# Altium PCB PCB1.PcbDoc
Units mm, origin at the board's own origin, x right, y up, seen from the top; angles counter-clockwise.
Board outline 53 x 30 mm, 2 copper layers (Top Layer, Bottom Layer), stack 1.671 mm thick; 4 components, 10 nets, 64 pads, 0 vias.
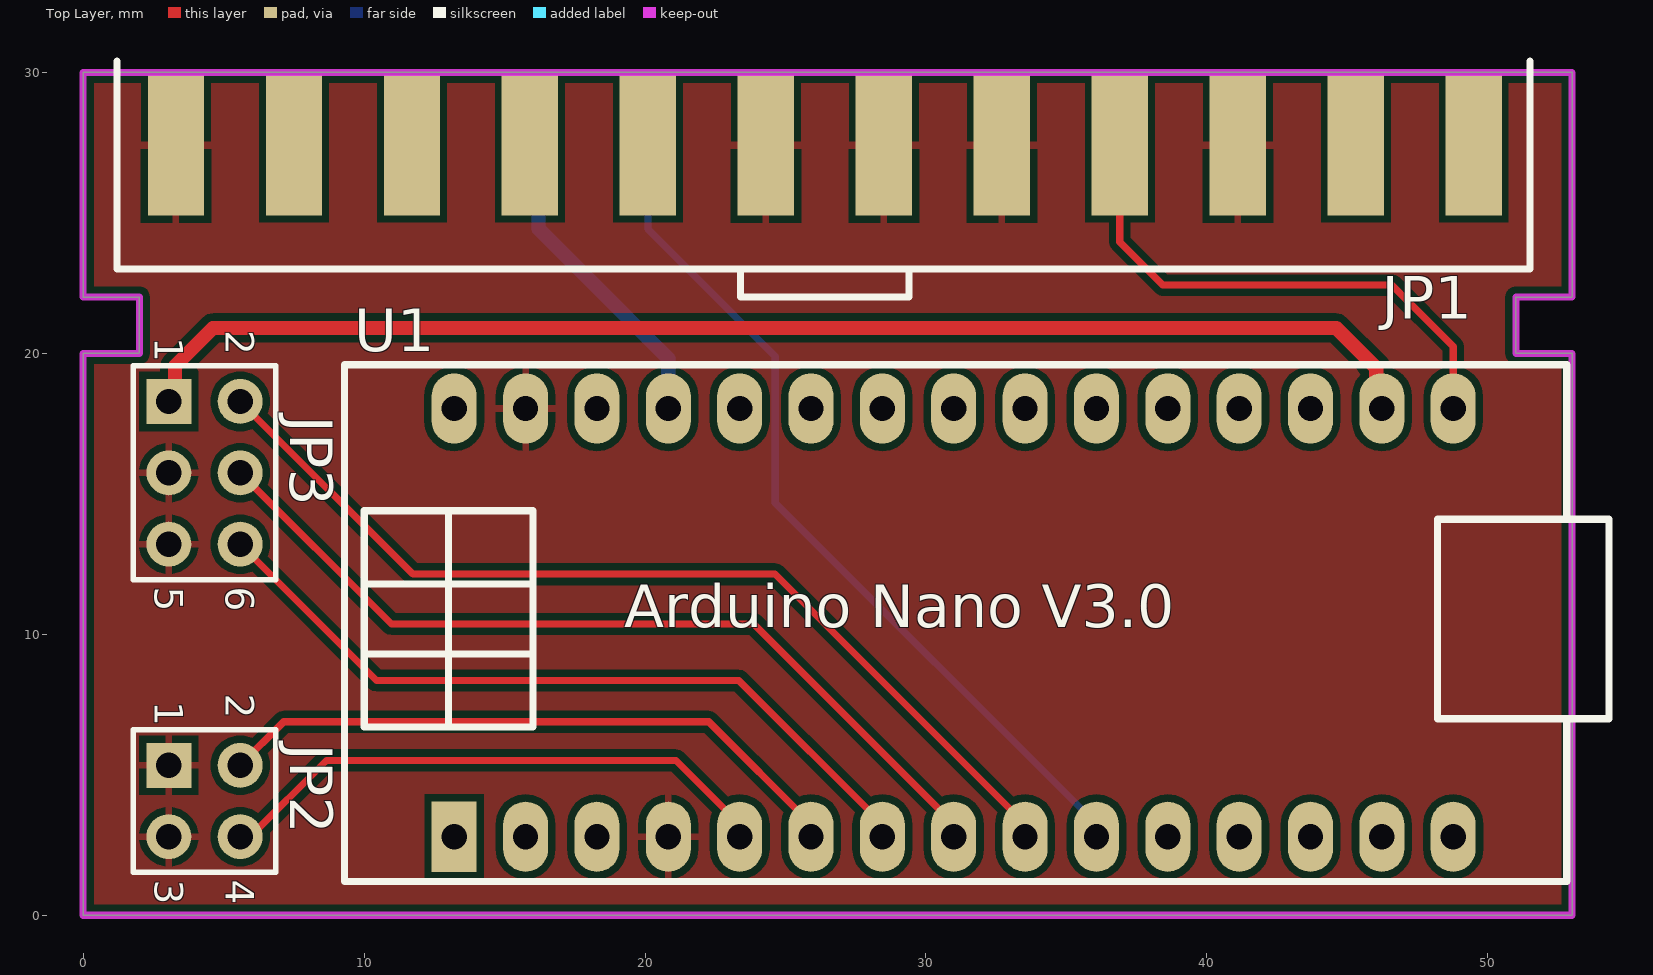
[diagram p0: Top Layer view]
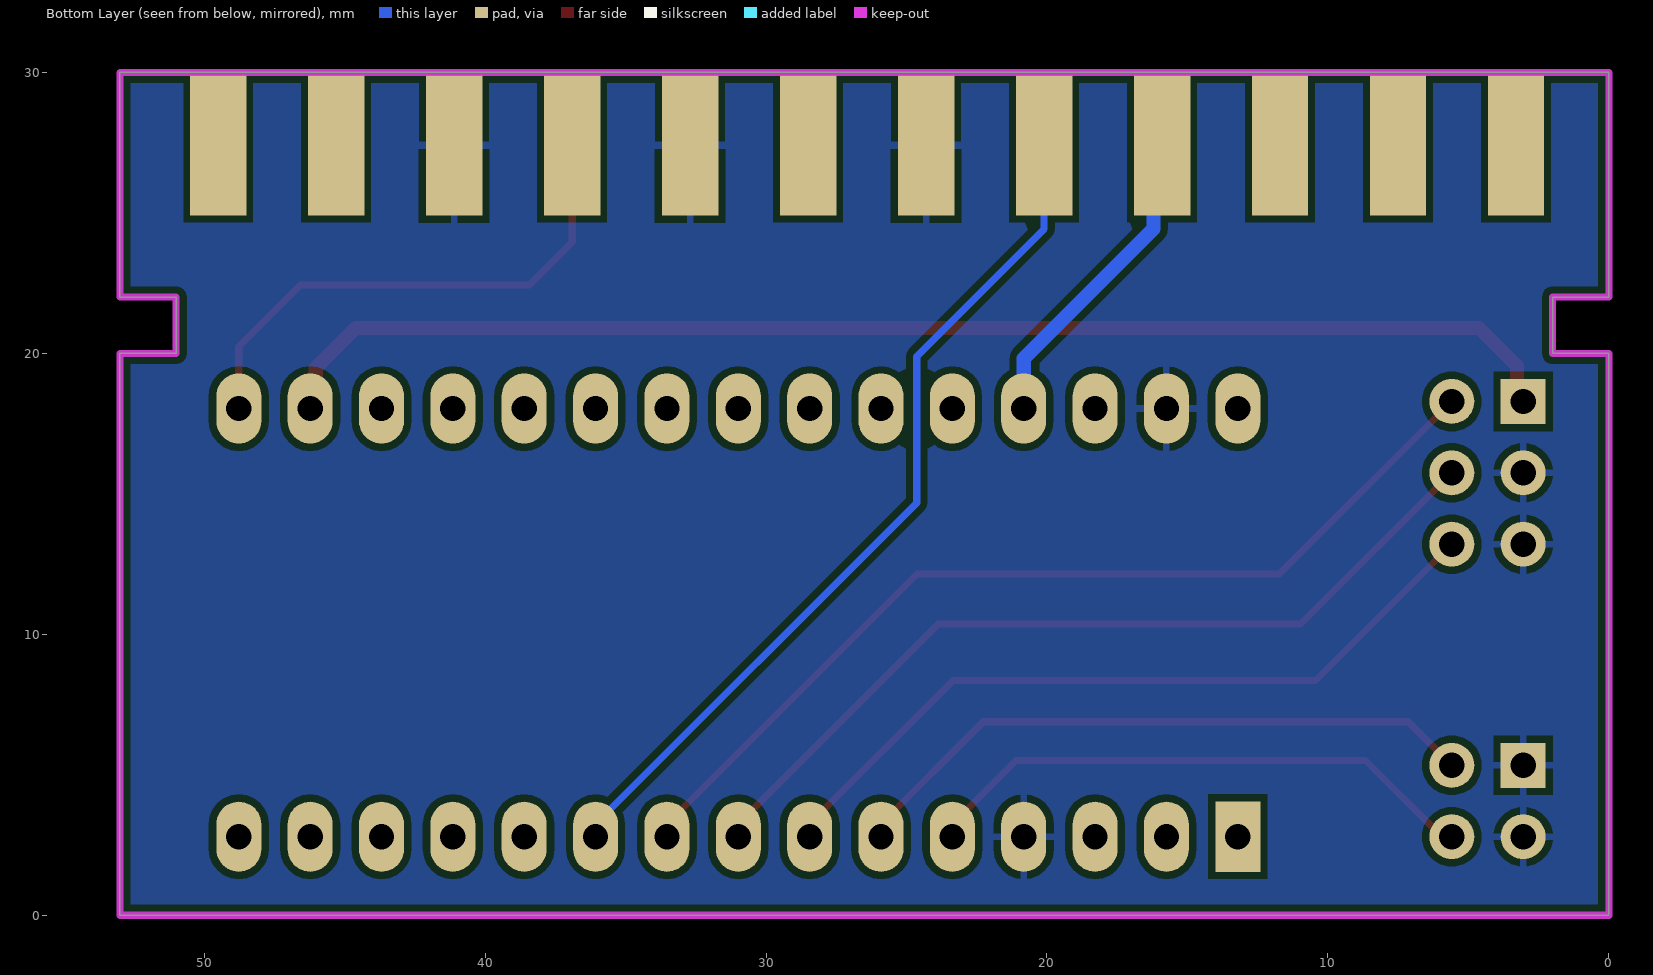
[diagram p1: Bottom Layer view, seen from below]

## Layer stack, top to bottom
Top Solder: solder mask 0.0102, Solder Resist, Dk 3.5
Top Layer: signal copper 0.0356
Dielectric 1: dielectric 1.6, FR-4, Dk 4.8
Bottom Layer: signal copper 0.0356
Bottom Solder: solder mask 0.0102, Solder Resist, Dk 3.5

## Board outline
0,0 0,20 2,20 2,22 0,22 0,30 53,30 53,22 51,22 51,20 53,20 53,0

## Design rules (kind name [scope] priority, off if disabled: settings)
Clearance [All] p1: gap=0.254 ignorepadtopadclearanceinfootprint=FALSE except(0: Arc-Hole Track-Hole SMDPad-Hole THPad-Hole Via-Hole Fill-Hole Poly-Hole Region-Hole Text-Hole)
PolygonConnect [All] p1: connectstyle=Relief reliefconductorwidth=0.254 reliefentries=4 polygonreliefangle="90 Angle" airgapwidth=0.254
RoomDefinition Sheet1 [InComponentClass('Sheet1')] p1: confinementstyle=ConfineIn formatcopy=TRUE lockcomponents=FALSE outline -25.4,-25.4 25.4,-25.4 25.4,0 -25.4,0
RoutingVias [All] p1: holewidth=0.711 width=1.27 viastyle="Through Hole" minholewidth=0.711 minwidth=1.27 maxholewidth=0.711 maxwidth=1.27
SolderMaskExpansion [All] p1: expansion=0.102 istentingtop=FALSE
Width [All] p1: maxlimit=0.508 minlimit=0.152 preferedwidth=0.254 minimp=50.000000 maximp=50.000000 favimp=50.000000
30 further rules are at their usual default settings.

## Components (designator, comment, footprint, x,y, rotation, side; value= is the part's Value field where it differs from the comment)
JP1 "ATX Connector" "ATX CONNECTOR" 49.5,27.4 r0 top
JP2 "Header2X2" HDR2.54-LI-2x2P 4.318,4.064 r270 top
JP3 "Header3X2" HDR2.54-LI-2x3P 4.318,15.748 r270 top
U1 "Arduino Nano" ARDUINONANODIP30 13.208,2.794 r90 top

## Footprints (in the part's own frame and the unit in brackets; to place one, negate y for a bottom-side part, rotate by r counter-clockwise, add the part's x,y. Pads: shape width x height; smd on the part's side, far side on the other; paste and mask are expansions set on the pad)
ARDUINONANODIP30 [mm]
  rect 2.5x1.6 hole 0.9: 1(0,0)
  oval 2.5x1.6 hole 0.9: 2(0,-2.54) 3(0,-5.08) 4(0,-7.62) 5(0,-10.16) 6(0,-12.7) 7(0,-15.24) 8(0,-17.78) 9(0,-20.32) 10(0,-22.86) 11(0,-25.4) 12(0,-27.94) 13(0,-30.48) 14(0,-33.02) 15(0,-35.56) 16(15.24,-35.56) 17(15.24,-33.02) 18(15.24,-30.48) 19(15.24,-27.94) 20(15.24,-25.4) 21(15.24,-22.86) 22(15.24,-20.32) 23(15.24,-17.78) 24(15.24,-15.24) 25(15.24,-12.7) 26(15.24,-10.16) 27(15.24,-7.62) 28(15.24,-5.08) 29(15.24,-2.54) 30(15.24,0)
  silkscreen extent -1.6,-41.1 16.8,3.9, body extent -1.4,-41.2 16.6,3.8, height 12.64
"ATX CONNECTOR" [mm]
  rect 2x5 smd: A1(0,0) A2(-4.2,0) A3(-8.4,0) A4(-12.6,0) A5(-16.8,0) A6(-21,0) A7(-25.2,0) A8(-29.4,0) A9(-33.6,0) A10(-37.8,0) A11(-42,0) A12(-46.2,0)
  rect 2x5 smd far side: B1(0,0) B2(-4.2,0) B3(-8.4,0) B4(-12.6,0) B5(-16.8,0) B6(-21,0) B7(-25.2,0) B8(-29.4,0) B9(-33.6,0) B10(-37.8,0) B11(-42,0) B12(-46.2,0)
  silkscreen extent -48.3,-5.4 2,3, body extent -48.3,-4.4 2.1,13.6, height 9.8
HDR2.54-LI-2x2P [mm] "封装库来自淘宝卖家 ID：黄晶宝石"
  rect 1.6x1.6 hole 0.9: 1(-1.27,-1.27)
  round 1.6 hole 0.9: 2(-1.27,1.27) 3(1.27,-1.27) 4(1.27,1.27)
  silkscreen extent -2.54,-2.54 2.54,2.54, body extent -2.54,-2.54 2.54,2.54, height 8.5
HDR2.54-LI-2x3P [mm] "封装库来自淘宝卖家 ID：黄晶宝石"
  rect 1.6x1.6 hole 0.9: 1(-2.54,-1.27)
  round 1.6 hole 0.9: 2(-2.54,1.27) 3(0,-1.27) 4(0,1.27) 5(2.54,-1.27) 6(2.54,1.27)
  silkscreen extent -3.81,-2.54 3.81,2.54, body extent -3.81,-2.54 3.81,2.54, height 8.5

## Part data
JP1: "4.2mm间距 5557-20P/24P 焊板式 板对板 连接器 2*12直针座"
JP2: library part "Header 2X2", "2*2P接插件", BOM名称=2*2P接插件, 学习资源=https://shop463601444.taobao.com, 版权归属="封装库来自淘宝 ID：黄晶宝石"
JP3: library part "Header 3X2", "3*2P接插件", BOM名称=3*2P接插件, 学习资源=https://shop463601444.taobao.com, 版权归属="封装库来自淘宝 ID：黄晶宝石"
U1: "Arduino Nano Board V3.0"

## Nets (pads, with @x,y where several pads share a name; then routed paths per layer and width w, separated by ;. In a path a pad name is that pad's centre, name@x,y a point inside that pad or via, vN(x,y) a via of type N, cw(c..) or ccw(c..) an arc to the next point about the centre after c; other vN are vias at no path point)
ATXCONTROL: JP1.A4 U1.16 | length 19.1
  Top Layer w0.254: JP1.A4 36.9,23.958 38.43,22.428 46.584,22.428 48.768,20.244 U1.16
ATXPOWER: JP1.B8 U1.10 | length 31.2
  Bottom Layer w0.254: JP1.B8 20.1,24.426 24.638,19.888 24.638,14.674 36.068,3.244 U1.10
GND: JP1.A3 JP1.A5 JP1.A6 JP1.A7 JP1.A12 JP1.B3 JP1.B5 JP1.B7 JP2.1 JP2.3 JP3.3 JP3.5 U1.4 U1.29
HOSTCONTROL: JP2.2 U1.6 | length 22.9
  Top Layer w0.254: JP2.2 7.137,6.883 22.269,6.883 25.908,3.244 U1.6
HOSTPOWER: JP2.4 U1.5 | length 20.3
  Top Layer w0.254: JP2.4 5.944,2.794 8.661,5.512 21.1,5.512 23.368,3.244 U1.5
LED0: JP3.4 U1.8 | length 31
  Top Layer w0.254: JP3.4 10.973,10.363 23.869,10.363 30.988,3.244 U1.8
LED1: JP3.2 U1.9 | length 34.6
  Top Layer w0.254: JP3.2 11.735,12.141 24.631,12.141 33.528,3.244 U1.9
NetJP3_1: JP3.1 U1.17 | length 46.8
  Top Layer w0.508: JP3.1 3.271,18.511 3.271,19.552 4.623,20.904 44.602,20.904 46.029,19.478 46.029,18.233 U1.17
POWERBUTTON: JP3.6 U1.7 | length 27.4
  Top Layer w0.254: JP3.6 10.439,8.357 23.335,8.357 28.448,3.244 U1.7
VCC: JP1.B9 U1.27 | length 11.4
  Bottom Layer w0.508: JP1.B9 16.204,27.096 16.204,24.436 20.828,19.812 U1.27
pads on no net: JP1.A1 JP1.A2 JP1.A8 JP1.A9 JP1.A10 JP1.A11 JP1.B1 JP1.B2 JP1.B4 JP1.B6 JP1.B10 JP1.B11 JP1.B12 U1.1 U1.2 U1.3 U1.11 U1.12 U1.13 U1.14 U1.15 U1.18 U1.19 U1.20 U1.21 U1.22 U1.23 U1.24 U1.25 U1.26 U1.28 U1.30
copper on no net: | length 0.9
  Top Layer w0.254: 15.494,27.432 15.676,27.25 15.676,27.178 ; 19.812,26.67 19.812,27.114 19.876,27.178

## Polygon pours and split planes (outlines as drawn)
GND on Bottom Layer "GND_L02_P000" (solid, pour order 0): 0,0 0,20 2,20 2,22 0,22 0,30 53,30 53,22 51,22 51,20 53,20 53,0
GND on Top Layer "GND_L01_P001" (solid, pour order 1): 0,0 0,20 2,20 2,22 0,22 0,30 53,30 53,22 51,22 51,20 53,20 53,0

## Keep-outs
Keep-Out Layer:
  the board outline again, w0.254

## Silkscreen, mask and mechanical layers (free items; w line width, h text height)
Top Overlay:
  text "Arduino Nano V3.0" at 19.254,10.254 h1.52
Mechanical 1:
  the board outline again, w0.254

## Text inside footprints (layer, text, board x,y; h text height)
JP2: Top Overlay "3" at 2.54,1.27 h1.02 r270; Top Overlay "4" at 5.08,1.27 h1.02 r270; Top Overlay "2" at 5.08,7.874 h1.02 r270; Top Overlay "1" at 2.54,7.62 h1.02 r270
JP3: Top Overlay "1" at 2.54,20.574 h1.02 r270; Top Overlay "2" at 5.08,20.828 h1.02 r270; Top Overlay "5" at 2.54,11.684 h1.02 r270; Top Overlay "6" at 5.08,11.684 h1.02 r270